# Altium PCB Meter50_v6.PcbDoc (part 1 of 3) (continued)
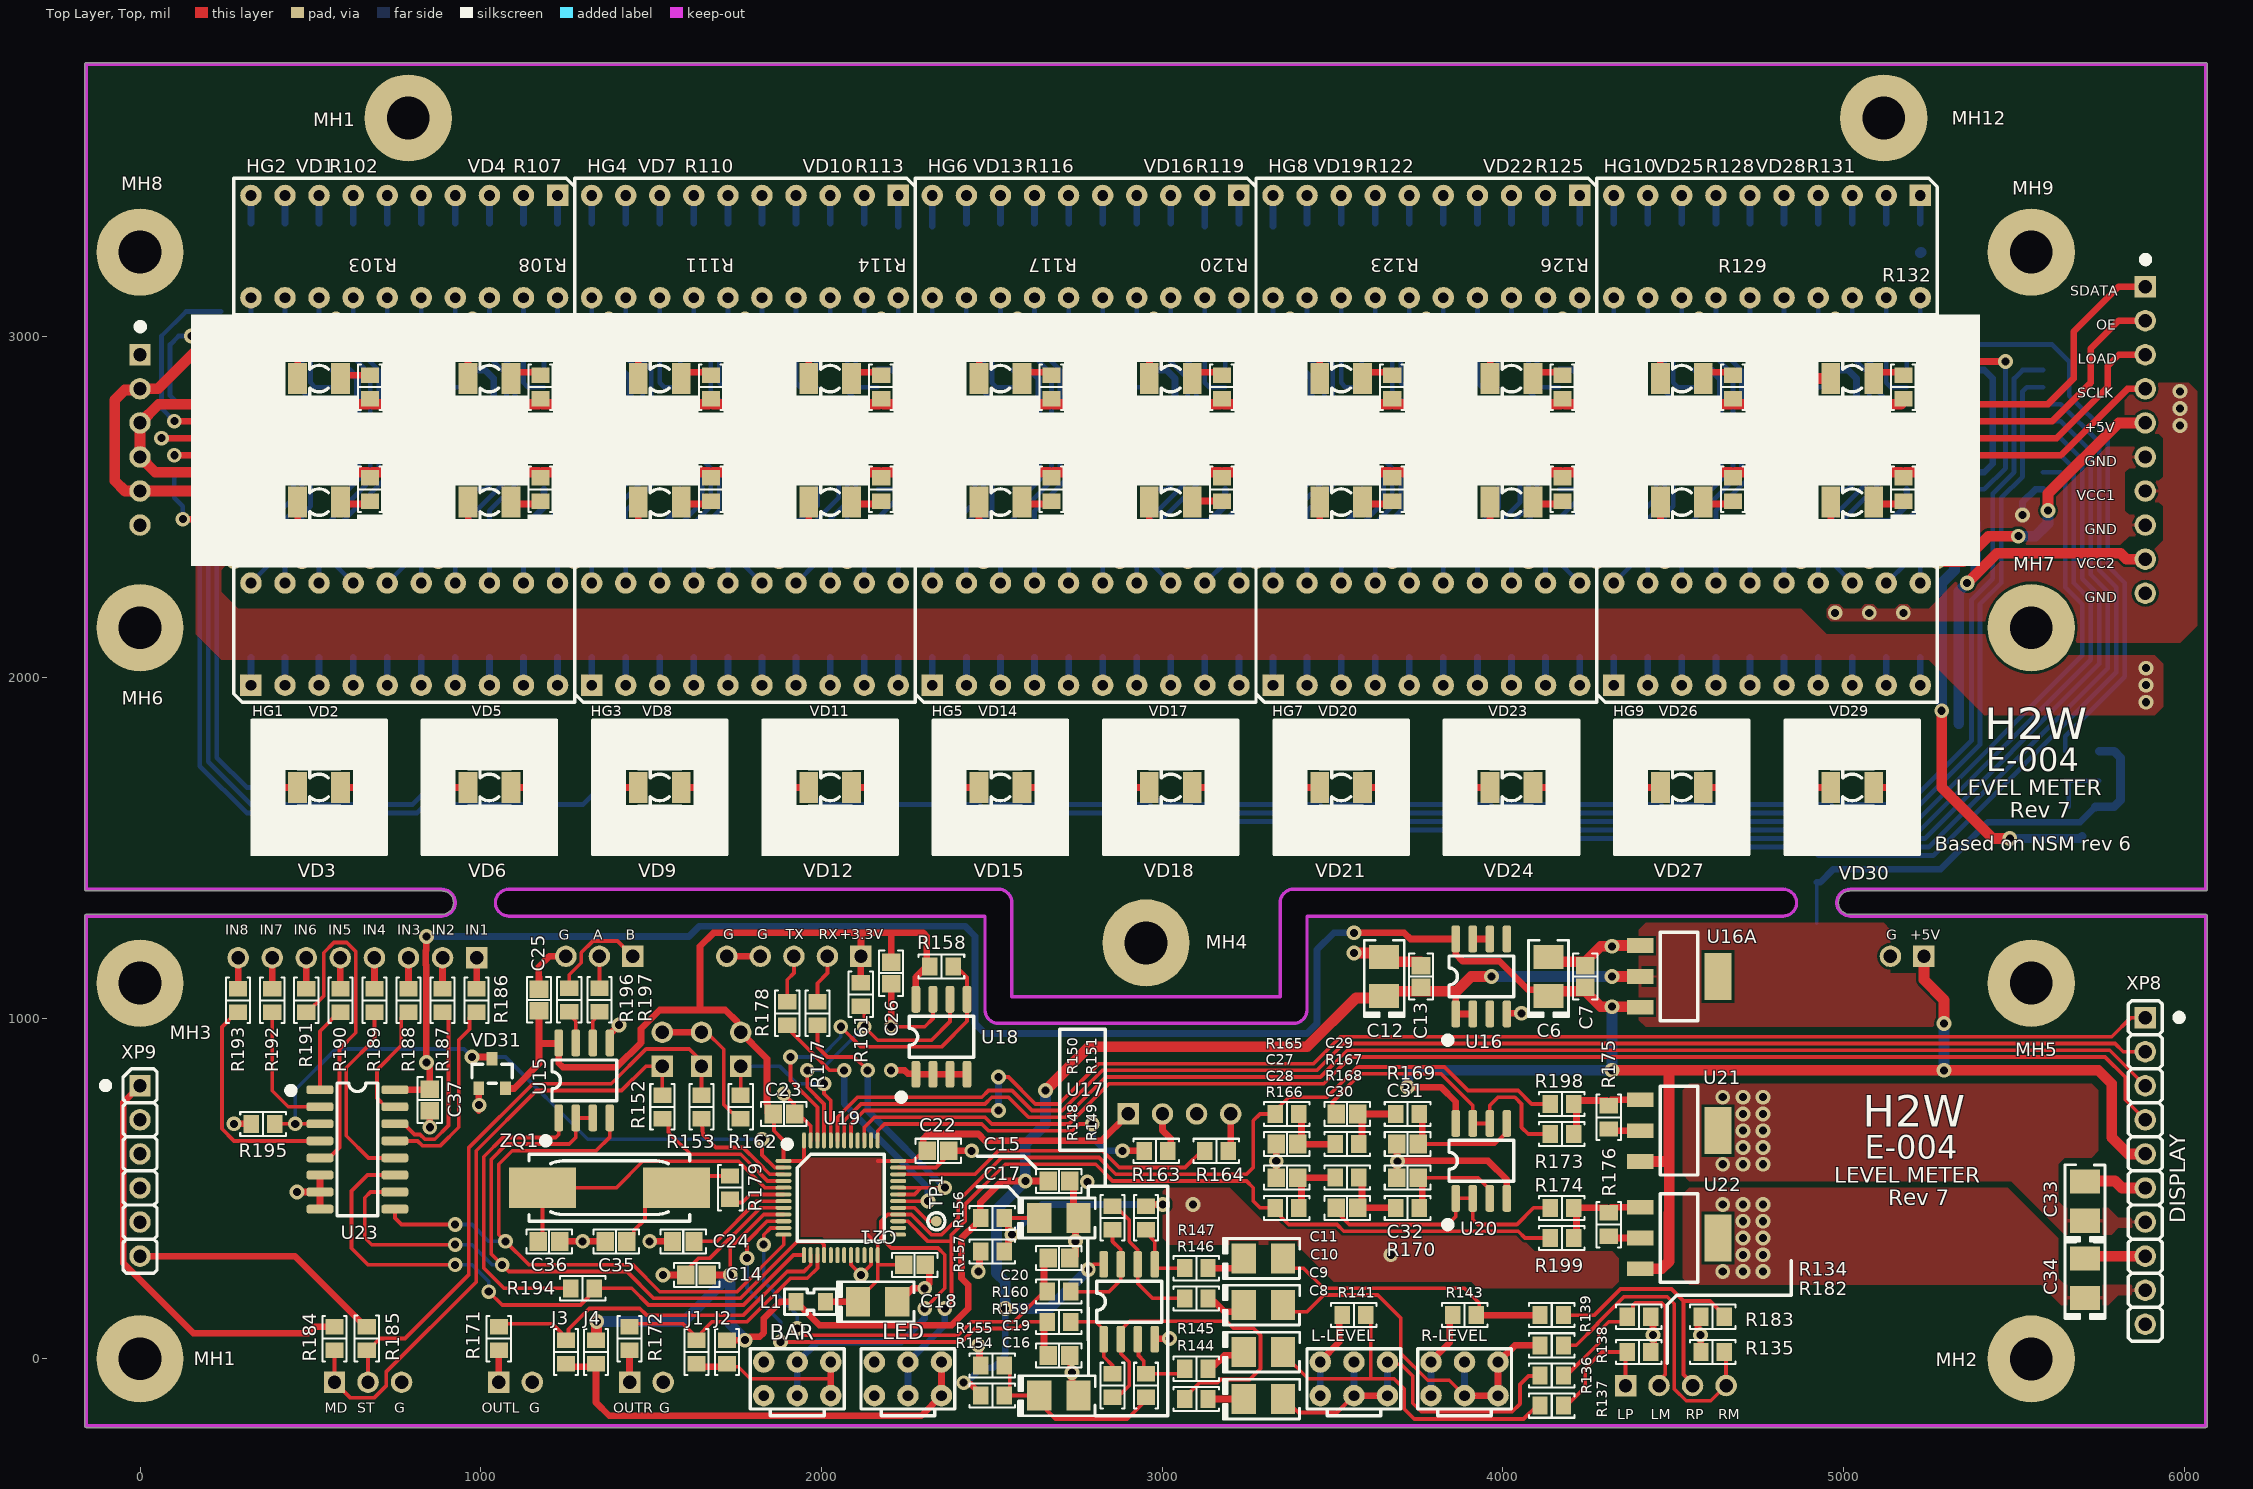
[diagram p0: Top Layer, Top view]
## Footprints (in the part's own frame and the unit in brackets; to place one, negate y for a bottom-side part, rotate by r counter-clockwise, add the part's x,y. Pads: shape width x height; smd on the part's side, far side on the other; paste and mask are expansions set on the pad) (continued)
PW-3 [mm]
  rect 1.6x1.6 hole 1: 1(-2.5,0)
  round 1.6 hole 1: 2(0,0) 3(2.5,0)
  silkscreen extent -5,-3.5 5,2.5, body extent -4.95,-3.38 4.95,2.37, height 7
PW-4 [mm]
  rect 1.6x1.6 hole 1: 1(-3.75,0)
  round 1.6 hole 1: 2(-1.25,0) 3(1.25,0) 4(3.75,0)
  silkscreen extent -6.25,-3.5 6.25,2.5, body extent -6.2,-3.51 6.2,2.24, height 7
PW-5 [mm]
  rect 1.6x1.6 hole 1: 1(-5,0)
  round 1.6 hole 1: 2(-2.5,0) 3(0,0) 4(2.5,0) 5(5,0)
  silkscreen extent -7.5,-3.5 7.5,2.5, body extent -7.45,-3.64 7.45,2.11, height 7
"RES 0805_2012" [mm] "Chip Resistor, 2-Leads, Body 2.00x1.25mm, IPC Medium Density"
  rect 1.15x1.35 smd: 1(-0.875,0) 2(0.875,0)
  silkscreen extent -1.7,-0.9 1.7,0.9, body extent -1,-0.62 1,0.63, height 0.6
SOIC-8 [mm]
  rrect50% 2x0.65 smd: 1(-2.794,1.905) 2(-2.794,0.635) 3(-2.794,-0.635) 4(-2.794,-1.905) 5(2.794,-1.905) 6(2.794,-0.635) 7(2.794,0.635) 8(2.794,1.905)
  silkscreen extent -1.52,-2.41 1.52,2.41, body extent -2.87,-2.41 3.13,2.49, height 1.75
SOIC-16 [mm]
  rrect50% 2x0.65 smd: 1(-2.794,4.445) 2(-2.794,3.175) 3(-2.794,1.905) 4(-2.794,0.635) 5(-2.794,-0.635) 6(-2.794,-1.905) 7(-2.794,-3.175) 8(-2.794,-4.445) 9(2.794,-4.445) 10(2.794,-3.175) 11(2.794,-1.905) 12(2.794,-0.635) 13(2.794,0.635) 14(2.794,1.905) 15(2.794,3.175) 16(2.794,4.445)
  silkscreen extent -1.52,-4.95 1.52,4.95, body extent -2.95,-4.83 2.95,5.07, height 1.5
SOT-23 [mm]
  rect 0.8x1 smd: 1(-1,-1.1) 2(1,-1.1) 3(0,1.1)
  silkscreen extent -1.5,-0.7 1.5,0.7, body extent -1.51,-1.91 1.51,1.91, height 1.31
SOT-223 [mm]
  rect 1.1x2 smd: 1(-2.3,-2.9) 2(0,-2.9) 3(2.3,-2.9)
  rect 3.5x2 smd: 4(0,2.9)
  silkscreen extent -3.3,-1.4 3.3,1.4, body extent -3.3,-3.39 3.2,3.64, height 1.6
TP08_Primary [mm]
  round 0.8 smd: 1(0,0)
  silkscreen extent -0.64,-0.64 0.64,0.64

## Part data
C1 C2 C3 C4 C5 C7 C13 C14 C15 C21 C22 C23 C24 C25 C26 C27 C28 C29 C30 C31 C32 C37: library part CC0805MRX7R9BB104, "CAP CER 0.1UF 50V X7R 0805", Device Package="0805 (2012 Metric)", manufacturer=Yageo, Operating Temperature="-55°C ~ 125°C", Supplier Part Number 1=311-4351-1-ND, Temperature Coefficient=X7R, Tolerance=±20%, Voltage - Rated=50V, Applications="General Purpose", Capacitance="0.1 µF", componentlink1description=Datasheet, componentlink1url=https://www.yageo.com/upload/media/product/productsearch/datasheet/mlcc/UPY-GPHC_X7R_6.3V-to-50V_18.pdf, componentlink2description="DigiKey Link", componentlink2url=https://www.digikey.com/en/products/detail/yageo/CC0805MRX7R9BB104/5884281, lastupdated="2/9/2024 8:16:09 PM", Lifecycle Status=Active, Minimum Order=1, Mounting Type="Surface Mount, MLCC", Package / Case="0805 (2012 Metric)", packaging=TapeAndReel, Part Number=CC0805MRX7R9BB104, Part Status=Active, partid=2475, price=0.01, series=CC, Size / Dimension="0.079\" L x 0.049\" W (2.00mm x 1.25mm)", Supplier 1=DigiKey, Thickness (Max)="0.037\" (0.95mm)"
C6 C12 C16 C17 C18 C33 C34: library part 593D226X9016B2TE3, "CAP TANT 22UF 10% 16V 1411", Device Package="1411 (3528 Metric)", ESR (Equivalent Series Resistance)=700mOhm, manufacturer="Vishay Sprague", Manufacturer Size Code=B, Operating Temperature="-55°C ~ 125°C", Supplier Part Number 1=718-593D226X9016B2TE3CT-ND, Tolerance=±10%, Voltage - Rated="16 V", Capacitance="22 µF", componentlink1description=Datasheet, componentlink1url=http://www.vishay.com/docs/40005/593d.pdf, componentlink2description="DigiKey Link", componentlink2url=https://www.digikey.com/en/products/detail/vishay-sprague/593D226X9016B2TE3/1579159, Features="General Purpose", Height - Seated (Max)="0.083\" (2.11mm)", lastupdated="3/11/2024 7:26:10 AM", Lifecycle Status=Active, Minimum Order=1, Mounting Type="Surface Mount", Package / Case="1411 (3528 Metric)", packaging=TapeAndReel, Part Number=593D226X9016B2TE3, Part Status=Active, partid=50, price=0.24, series="TANTAMOUNT™, 593D", Size / Dimension="0.138\" L x 0.110\" W (3.50mm x 2.80mm)", Supplier 1=DigiKey, Type=Molded
C8 C9 C10 C11: library part TR3B475K025C0700, "CAP TANT 4.7UF 10% 25V 1411", Device Package="1411 (3528 Metric)", ESR (Equivalent Series Resistance)=700mOhm, manufacturer="Vishay Sprague", Manufacturer Size Code=B, Operating Temperature="-55°C ~ 125°C", Supplier Part Number 1=718-1523-1-ND, Tolerance=±10%, Voltage - Rated="25 V", Capacitance="4.7 µF", componentlink1description=Datasheet, componentlink1url=http://www.vishay.com/docs/40080/tr3.pdf, componentlink2description="DigiKey Link", componentlink2url=https://www.digikey.com/en/products/detail/vishay-sprague/TR3B475K025C0700/1859840, Features="General Purpose", Height - Seated (Max)="0.083\" (2.11mm)", lastupdated="3/11/2024 7:26:11 AM", Lifecycle Status=Active, Minimum Order=1, Mounting Type="Surface Mount", Package / Case="1411 (3528 Metric)", packaging=TapeAndReel, Part Number=TR3B475K025C0700, Part Status=Active, partid=2, price=0.43, series="TANTAMOUNT™, TR3", Size / Dimension="0.138\" L x 0.110\" W (3.50mm x 2.80mm)", Supplier 1=DigiKey, Type=Molded
C19 C20: library part 08055A331JAT2A, "CAP CER 330PF 50V C0G/NP0 0805", Device Package="0805 (2012 Metric)", manufacturer="AVX Corporation", Operating Temperature="-55°C ~ 125°C", Supplier Part Number 1=478-1322-1-ND, Temperature Coefficient="C0G, NP0", Tolerance=±5%, Voltage - Rated=50V, Applications="General Purpose", Capacitance=330pF, componentlink1description=Datasheet, componentlink1url=http://datasheets.avx.com/C0GNP0-Dielectric.pdf, componentlink2description="DigiKey Link", componentlink2url=http://digikey.com/product-detail/en/avx-corporation/08055A331JAT2A/478-1322-1-ND/564354, lastupdated="9/2/2020 1:04:40 AM", Lifecycle Status=Active, Minimum Order=1, Mounting Type="Surface Mount, MLCC", Package / Case="0805 (2012 Metric)", packaging=TapeAndReel, Part Number=08055A331JAT2A, Part Status=Active, partid=3229, price=0.02, series=-, Size / Dimension="0.079\" L x 0.049\" W (2.01mm x 1.25mm)", Supplier 1=DigiKey, Thickness (Max)="0.037\" (0.94mm)"
C35 C36: library part C0805C220J5GACAUTO, "CAP CER 22PF 50V C0G/NP0 0805", Device Package="0805 (2012 Metric)", manufacturer=KEMET, Operating Temperature="-55°C ~ 125°C", Ratings=AEC-Q200, Supplier Part Number 1=399-6937-1-ND, Temperature Coefficient="C0G, NP0", Tolerance=±5%, Voltage - Rated=50V, Applications=Automotive, Capacitance="22 pF", componentlink1description=Datasheet, componentlink1url=https://api.kemet.com/component-edge/download/datasheet/C0805C220J5GACAUTO.pdf, componentlink2description="DigiKey Link", componentlink2url=https://www.digikey.com/en/products/detail/kemet/C0805C220J5GACAUTO/3314930, Features="Low ESL", lastupdated="2/9/2024 8:16:09 PM", Lifecycle Status=Active, Minimum Order=1, Mounting Type="Surface Mount, MLCC", Package / Case="0805 (2012 Metric)", packaging=TapeAndReel, Part Number=C0805C220J5GACAUTO, Part Status=Active, partid=2537, price=0.01, series="SMD Auto C0G", Size / Dimension="0.079\" L x 0.049\" W (2.00mm x 1.25mm)", Supplier 1=DigiKey, Thickness (Max)="0.035\" (0.88mm)"
J1 J2 J3 J4 R141 R143 R200: library part CR0805AJ/-000EAS, "RESA-AS 0805 0R JUMPER 125MW", Device Package="0805 (2012 Metric)", manufacturer="Bourns Inc.", Operating Temperature="-55°C ~ 155°C", Power (Watts)="0.125W, 1/8W", Ratings=AEC-Q200, Supplier Device Package=0805, Supplier Part Number 1=CR0805AJ/-000EASCT-ND, Tolerance=Jumper, componentlink1description=Datasheet, componentlink1url=//media.digikey.com/pdf/Data%20Sheets/Bourns%20PDFs/CRyyyyA-AS_Model_DS.pdf, componentlink2description="DigiKey Link", componentlink2url=https://www.digikey.com/en/products/detail/bourns-inc/CR0805AJ-000EAS/10240129, Composition="Thick Film", Features="Anti-Sulfur, Automotive AEC-Q200, Moisture Resistant", Height - Seated (Max)="0.024\" (0.60mm)", lastupdated="2/8/2024 9:00:46 PM", Lifecycle Status=Active, Minimum Order=1, Number of Terminations=2, Package / Case="0805 (2012 Metric)", packaging=TapeAndReel, Part Number=CR0805AJ/-000EAS, Part Status=Active, partid=49707, price=0.01, Resistance="0 Ohms", series=CR0805A-AS, Size / Dimension="0.079\" L x 0.049\" W (2.00mm x 1.25mm)", Supplier 1=DigiKey
MH1 MH1 MH2 MH3 MH4 MH5 MH6 MH7 MH9 MH12: library part MH1
MH8: library part MH1, "TP08"
R1 R106 R165 R166 R167 R168 R169 R170: library part CR0805-JW-473ELF, "RES SMD 47K OHM 5% 1/8W 0805", Device Package="0805 (2012 Metric)", manufacturer="Bourns Inc.", Operating Temperature="-55°C ~ 155°C", Power (Watts)="0.125W, 1/8W", Supplier Device Package=0805, Supplier Part Number 1=118-CR0805-JW-473ELFCT-ND, Temperature Coefficient=±200ppm/°C, Tolerance=±5%, componentlink1description=Datasheet, componentlink1url=https://www.bourns.com/docs/Product-Datasheets/CHPREZTR.pdf, componentlink2description="DigiKey Link", componentlink2url=https://www.digikey.com/en/products/detail/bourns-inc/CR0805-JW-473ELF/3785330, Composition="Thick Film", Features="Moisture Resistant", Height - Seated (Max)="0.024\" (0.60mm)", lastupdated="2/8/2024 9:02:06 PM", Lifecycle Status=Active, Minimum Order=1, Number of Terminations=2, Package / Case="0805 (2012 Metric)", packaging=CutTape, Part Number=CR0805-JW-473ELF, Part Status=Active, partid=35150, price=0.01, Resistance="47 kOhms", series=CR0805, Size / Dimension="0.079\" L x 0.049\" W (2.00mm x 1.25mm)", Supplier 1=DigiKey
R2 R3 R4 R5 R6 R7 R8 R9 R10 R11 R12 R13 R14 R15 R16 R17 R18 R19 R20 R21 R22 R23 R24 R25 R26 R27 R28 R29 R30 R31 R32 R33 R34 R35 R36 R37 R38 R39 R40 R41 R42 R43 R44 R45 R46 R47 R48 R49 R50 R51 R52 R53 R54 R55 R56 R57 R58 R59 R60 R61: library part CR0805-FX-2700ELF, "RES SMD 270 OHM 1% 1/8W 0805", Device Package="0805 (2012 Metric)", manufacturer="Bourns Inc.", Operating Temperature="-55°C ~ 155°C", Power (Watts)="0.125W, 1/8W", Supplier Device Package=0805, Supplier Part Number 1=118-CR0805-FX-2700ELFCT-ND, Temperature Coefficient=±100ppm/°C, Tolerance=±1%, componentlink1description=Datasheet, componentlink1url=https://www.bourns.com/docs/Product-Datasheets/CHPREZTR.pdf, componentlink2description="DigiKey Link", componentlink2url=https://www.digikey.com/en/products/detail/bourns-inc/CR0805-FX-2700ELF/3784807, Composition="Thick Film", Features="Moisture Resistant", Height - Seated (Max)="0.024\" (0.60mm)", lastupdated="2/8/2024 9:02:19 PM", Lifecycle Status=Active, Minimum Order=1, Number of Terminations=2, Package / Case="0805 (2012 Metric)", packaging=TapeAndReel, Part Number=CR0805-FX-2700ELF, Part Status=Active, partid=32158, price=0.01, Resistance="270 Ohms", series=CR0805, Size / Dimension="0.079\" L x 0.049\" W (2.00mm x 1.25mm)", Supplier 1=DigiKey
R62 R63 R64 R65 R66 R67 R68 R69 R70 R71 R72 R73 R74 R75 R76 R77 R78 R79 R80 R81 R82 R83 R84 R85 R86 R87 R88 R89 R90 R91 R92 R93 R94 R95 R96 R97 R98 R99 R100 R101 R104 R109 R112 R124 R128 R129 R130 R131 R132 R133: library part CR0805-JW-561ELF, "RES SMD 560 OHM 5% 1/8W 0805", Device Package="0805 (2012 Metric)", manufacturer="Bourns Inc.", Operating Temperature="-55°C ~ 155°C", Power (Watts)="0.125W, 1/8W", Supplier Device Package=0805, Supplier Part Number 1=118-CR0805-JW-561ELFCT-ND, Temperature Coefficient=±200ppm/°C, Tolerance=±5%, componentlink1description=Datasheet, componentlink1url=https://www.bourns.com/docs/Product-Datasheets/CHPREZTR.pdf, componentlink2description="DigiKey Link", componentlink2url=https://www.digikey.com/en/products/detail/bourns-inc/CR0805-JW-561ELF/3785343, Composition="Thick Film", Features="Moisture Resistant", Height - Seated (Max)="0.024\" (0.60mm)", lastupdated="2/8/2024 9:02:07 PM", Lifecycle Status=Active, Minimum Order=1, Number of Terminations=2, Package / Case="0805 (2012 Metric)", packaging=CutTape, Part Number=CR0805-JW-561ELF, Part Status=Active, partid=35146, price=0.01, Resistance="560 Ohms", series=CR0805, Size / Dimension="0.079\" L x 0.049\" W (2.00mm x 1.25mm)", Supplier 1=DigiKey
R102 R103 R105 R107 R108 R110 R111 R113 R114 R116 R117 R119 R120 R121 R127 R154 R155 R156 R157 R159 R160 R171 R172: library part CR0805-JW-102ELF, "RES SMD 1K OHM 5% 1/8W 0805", Device Package="0805 (2012 Metric)", manufacturer="Bourns Inc.", Operating Temperature="-55°C ~ 155°C", Power (Watts)="0.125W, 1/8W", Supplier Device Package=0805, Supplier Part Number 1=CR0805-JW-102ELFCT-ND, Temperature Coefficient=±200ppm/°C, Tolerance=±5%, componentlink1description=Datasheet, componentlink1url=https://www.bourns.com/docs/Product-Datasheets/CHPREZTR.pdf, componentlink2description="DigiKey Link", componentlink2url=https://www.digikey.com/en/products/detail/bourns-inc/CR0805-JW-102ELF/3593156, Composition="Thick Film", Features="Moisture Resistant", Height - Seated (Max)="0.024\" (0.60mm)", lastupdated="2/8/2024 9:01:26 PM", Lifecycle Status=Active, Minimum Order=1, Number of Terminations=2, Package / Case="0805 (2012 Metric)", packaging=CutTape, Part Number=CR0805-JW-102ELF, Part Status=Active, partid=44682, price=0.01, Resistance="1 kOhms", series=CR0805, Size / Dimension="0.079\" L x 0.049\" W (2.00mm x 1.25mm)", Supplier 1=DigiKey
R115 R118 R122 R123 R125 R126 R198 R199: library part CR0805-JW-391ELF, "RES SMD 390 OHM 5% 1/8W 0805", Device Package="0805 (2012 Metric)", manufacturer="Bourns Inc.", Operating Temperature="-55°C ~ 155°C", Power (Watts)="0.125W, 1/8W", Supplier Device Package=0805, Supplier Part Number 1=CR0805-JW-391ELFCT-ND, Temperature Coefficient=±200ppm/°C, Tolerance=±5%, componentlink1description=Datasheet, componentlink1url=https://www.bourns.com/docs/Product-Datasheets/CHPREZTR.pdf, componentlink2description="DigiKey Link", componentlink2url=https://www.digikey.com/en/products/detail/bourns-inc/CR0805-JW-391ELF/3785314, Composition="Thick Film", Features="Moisture Resistant", Height - Seated (Max)="0.024\" (0.60mm)", lastupdated="2/8/2024 9:00:52 PM", Lifecycle Status=Active, Minimum Order=1, Number of Terminations=2, Package / Case="0805 (2012 Metric)", packaging=TapeAndReel, Part Number=CR0805-JW-391ELF, Part Status=Active, partid=49143, price=0.01, Resistance="390 Ohms", series=CR0805, Size / Dimension="0.079\" L x 0.049\" W (2.00mm x 1.25mm)", Supplier 1=DigiKey
R134 R135: library part CMP0805-FX-1000ELF, "RESHIGHPOWER 0805 100R 1% 1/2W T", Device Package="0805 (2012 Metric)", manufacturer="Bourns Inc.", Operating Temperature="-55°C ~ 155°C", Power (Watts)="0.5W, 1/2W", Supplier Device Package=0805, Supplier Part Number 1=118-CMP0805-FX-1000ELFCT-ND, Temperature Coefficient=±100ppm/°C, Tolerance=±1%, componentlink1description=Datasheet, componentlink1url=https://www.bourns.com/docs/Product-Datasheets/CMP.pdf, componentlink2description="DigiKey Link", componentlink2url=https://www.digikey.com/en/products/detail/bourns-inc/CMP0805-FX-1000ELF/12333612, Composition="Thick Film", Features="Pulse Withstanding", Height - Seated (Max)="0.024\" (0.60mm)", lastupdated="2/8/2024 9:00:39 PM", Lifecycle Status=Active, Minimum Order=1, Number of Terminations=2, Package / Case="0805 (2012 Metric)", packaging=TapeAndReel, Part Number=CMP0805-FX-1000ELF, Part Status=Active, partid=61741, price=0.02, Resistance="100 Ohms", series=CMP, Size / Dimension="0.079\" L x 0.049\" W (2.00mm x 1.25mm)", Supplier 1=DigiKey
R136 R137 R138 R139 R144 R145 R146 R147 R186 R187 R188 R189 R190 R191 R192 R193: library part CRT0805-FZ-1002ELF, "RES SMD 10K OHM 1% 1/8W 0805", Device Package="0805 (2012 Metric)", manufacturer="Bourns Inc.", Operating Temperature="-55°C ~ 155°C", Power (Watts)="0.125W, 1/8W", Supplier Device Package=0805, Supplier Part Number 1=CRT0805-FZ-1002ELFCT-ND, Temperature Coefficient=±50ppm/°C, Tolerance=±1%, componentlink1description=Datasheet, componentlink1url=https://www.bourns.com/docs/Product-Datasheets/crt.pdf, componentlink2description="DigiKey Link", componentlink2url=https://www.digikey.com/en/products/detail/bourns-inc/CRT0805-FZ-1002ELF/2564206, Composition="Thin Film", Features="Current Sense", Height - Seated (Max)="0.026\" (0.65mm)", lastupdated="2/8/2024 9:01:39 PM", Lifecycle Status=Active, Minimum Order=1, Number of Terminations=2, Package / Case="0805 (2012 Metric)", packaging=TapeAndReel, Part Number=CRT0805-FZ-1002ELF, Part Status=Active, partid=41691, price=0.01, Resistance="10 kOhms", series=CRT, Size / Dimension="0.079\" L x 0.049\" W (2.00mm x 1.25mm)", Supplier 1=DigiKey
R148 R149 R150 R151 R182 R183: library part CR0805-FX-1003ELF, "RES SMD 100K OHM 1% 1/8W 0805", Device Package="0805 (2012 Metric)", manufacturer="Bourns Inc.", Operating Temperature="-55°C ~ 155°C", Power (Watts)="0.125W, 1/8W", Supplier Device Package=0805, Supplier Part Number 1=CR0805-FX-1003ELFCT-ND, Temperature Coefficient=±100ppm/°C, Tolerance=±1%, componentlink1description=Datasheet, componentlink1url=https://www.bourns.com/docs/Product-Datasheets/CHPREZTR.pdf, componentlink2description="DigiKey Link", componentlink2url=https://www.digikey.com/en/products/detail/bourns-inc/CR0805-FX-1003ELF/3740947, Composition="Thick Film", Features="Moisture Resistant", Height - Seated (Max)="0.024\" (0.60mm)", lastupdated="2/8/2024 9:01:25 PM", Lifecycle Status=Active, Minimum Order=1, Number of Terminations=2, Package / Case="0805 (2012 Metric)", packaging=CutTape, Part Number=CR0805-FX-1003ELF, Part Status=Active, partid=44720, price=0.01, Resistance="100 kOhms", series=CR0805, Size / Dimension="0.079\" L x 0.049\" W (2.00mm x 1.25mm)", Supplier 1=DigiKey
R152 R153 R179: library part CHP0805AFX-2200ELF, "RESHIGHPOWERA 0805 220R 1% 1/2W", Device Package="0805 (2012 Metric)", manufacturer="Bourns Inc.", Operating Temperature="-55°C ~ 155°C", Power (Watts)="0.5W, 1/2W", Ratings=AEC-Q200, Supplier Device Package=0805, Supplier Part Number 1=118-CHP0805AFX-2200ELFCT-ND, Temperature Coefficient=±100ppm/°C, Tolerance=±1%, componentlink1description=Datasheet, componentlink1url=https://www.bourns.com/docs/product-datasheets/chp-a.pdf, componentlink2description="DigiKey Link", componentlink2url=https://www.digikey.com/en/products/detail/bourns-inc/CHP0805AFX-2200ELF/12144255, Composition="Thick Film", Features="Anti-Sulfur, Automotive AEC-Q200, Moisture Resistant, Pulse Withstanding", Height - Seated (Max)="0.024\" (0.60mm)", lastupdated="2/8/2024 9:00:39 PM", Lifecycle Status=Active, Minimum Order=1, Number of Terminations=2, Package / Case="0805 (2012 Metric)", packaging=TapeAndReel, Part Number=CHP0805AFX-2200ELF, Part Status=Active, partid=61756, price=0.06, Resistance="220 Ohms", series=CHP-A, Size / Dimension="0.079\" L x 0.049\" W (2.00mm x 1.25mm)", Supplier 1=DigiKey
R158 R161 R162: library part CR0805-JW-472ELF, "RES SMD 4.7K OHM 5% 1/8W 0805", Device Package="0805 (2012 Metric)", manufacturer="Bourns Inc.", Operating Temperature="-55°C ~ 155°C", Power (Watts)="0.125W, 1/8W", Supplier Device Package=0805, Supplier Part Number 1=CR0805-JW-472ELFCT-ND, Temperature Coefficient=±200ppm/°C, Tolerance=±5%, componentlink1description=Datasheet, componentlink1url=https://www.bourns.com/docs/Product-Datasheets/CHPREZTR.pdf, componentlink2description="DigiKey Link", componentlink2url=https://www.digikey.com/en/products/detail/bourns-inc/CR0805-JW-472ELF/3741035, Composition="Thick Film", Features="Moisture Resistant", Height - Seated (Max)="0.024\" (0.60mm)", lastupdated="2/8/2024 9:01:52 PM", Lifecycle Status=Active, Minimum Order=1, Number of Terminations=2, Package / Case="0805 (2012 Metric)", packaging=CutTape, Part Number=CR0805-JW-472ELF, Part Status=Active, partid=38807, price=0.01, Resistance="4.7 kOhms", series=CR0805, Size / Dimension="0.079\" L x 0.049\" W (2.00mm x 1.25mm)", Supplier 1=DigiKey
R163 R164 R177 R178 R184 R185 R196 R197: library part CR0805-FX-22R0ELF, "RES SMD 22 OHM 1% 1/8W 0805", Device Package="0805 (2012 Metric)", manufacturer="Bourns Inc.", Operating Temperature="-55°C ~ 155°C", Power (Watts)="0.125W, 1/8W", Supplier Device Package=0805, Supplier Part Number 1=CR0805-FX-22R0ELFCT-ND, Temperature Coefficient=±100ppm/°C, Tolerance=±1%, componentlink1description=Datasheet, componentlink1url=https://www.bourns.com/docs/Product-Datasheets/CHPREZTR.pdf, componentlink2description="DigiKey Link", componentlink2url=https://www.digikey.com/en/products/detail/bourns-inc/CR0805-FX-22R0ELF/3784764, Composition="Thick Film", Features="Moisture Resistant", Height - Seated (Max)="0.024\" (0.60mm)", lastupdated="2/8/2024 9:02:14 PM", Lifecycle Status=Active, Minimum Order=1, Number of Terminations=2, Package / Case="0805 (2012 Metric)", packaging=TapeAndReel, Part Number=CR0805-FX-22R0ELF, Part Status=Active, partid=33387, price=0.01, Resistance="22 Ohms", series=CR0805, Size / Dimension="0.079\" L x 0.049\" W (2.00mm x 1.25mm)", Supplier 1=DigiKey
R173 R174: library part CR0805-JW-121ELF, "RES SMD 120 OHM 5% 1/8W 0805", Device Package="0805 (2012 Metric)", manufacturer="Bourns Inc.", Operating Temperature="-55°C ~ 155°C", Power (Watts)="0.125W, 1/8W", Supplier Device Package=0805, Supplier Part Number 1=118-CR0805-JW-121ELFCT-ND, Temperature Coefficient=±200ppm/°C, Tolerance=±5%, componentlink1description=Datasheet, componentlink1url=https://www.bourns.com/docs/Product-Datasheets/CHPREZTR.pdf, componentlink2description="DigiKey Link", componentlink2url=https://www.digikey.com/en/products/detail/bourns-inc/CR0805-JW-121ELF/3785225, Composition="Thick Film", Features="Moisture Resistant", Height - Seated (Max)="0.024\" (0.60mm)", lastupdated="2/8/2024 9:02:14 PM", Lifecycle Status=Active, Minimum Order=1, Number of Terminations=2, Package / Case="0805 (2012 Metric)", packaging=CutTape, Part Number=CR0805-JW-121ELF, Part Status=Active, partid=33350, price=0.01, Resistance="120 Ohms", series=CR0805, Size / Dimension="0.079\" L x 0.049\" W (2.00mm x 1.25mm)", Supplier 1=DigiKey
R175 R176: library part RMCF0805JT240R, "RES 240 OHM 5% 1/8W 0805", Device Package="0805 (2012 Metric)", manufacturer="Stackpole Electronics Inc", Operating Temperature="-55°C ~ 155°C", Power (Watts)="0.125W, 1/8W", Ratings=AEC-Q200, Supplier Device Package=0805, Supplier Part Number 1=RMCF0805JT240RCT-ND, Temperature Coefficient=±200ppm/°C, Tolerance=±5%, componentlink1description=Datasheet, componentlink1url=https://www.seielect.com/catalog/sei-rmcf_rmcp.pdf, componentlink2description="DigiKey Link", componentlink2url=https://www.digikey.com/en/products/detail/stackpole-electronics-inc/RMCF0805JT240R/1757845, Composition="Thick Film", Features="Automotive AEC-Q200", Height - Seated (Max)="0.026\" (0.65mm)", lastupdated="2/8/2024 9:01:26 PM", Lifecycle Status=Active, Minimum Order=1, Number of Terminations=2, Package / Case="0805 (2012 Metric)", packaging=CutTape, Part Number=RMCF0805JT240R, Part Status=Active, partid=44648, price=0.01, Resistance="240 Ohms", series=RMCF, Size / Dimension="0.079\" L x 0.049\" W (2.00mm x 1.25mm)", Supplier 1=DigiKey
R181: library part 3362X, "3362X"
R194: library part RNCS0805BKE1K00, "RES 1K OHM 0.1% 1/10W 0805", Device Package="0805 (2012 Metric)", manufacturer="Stackpole Electronics Inc", Operating Temperature="-55°C ~ 155°C", Power (Watts)="0.1W, 1/10W", Ratings=AEC-Q200, Supplier Device Package=0805, Supplier Part Number 1=RNCS0805BKE1K00CT-ND, Temperature Coefficient=±25ppm/°C, Tolerance=±0.1%, componentlink1description=Datasheet, componentlink1url=https://www.seielect.com/catalog/sei-rncs_rnch.pdf, componentlink2description="DigiKey Link", componentlink2url=https://www.digikey.com/en/products/detail/stackpole-electronics-inc/RNCS0805BKE1K00/1800073, Composition="Thin Film", Features="Anti-Corrosive, Automotive AEC-Q200, Moisture Resistant", Height - Seated (Max)="0.026\" (0.65mm)", lastupdated="2/8/2024 9:02:39 PM", Lifecycle Status=Active, Minimum Order=1, Number of Terminations=2, Package / Case="0805 (2012 Metric)", packaging=TapeAndReel, Part Number=RNCS0805BKE1K00, Part Status=Active, partid=27715, price=0.07, Resistance="1 kOhms", series=RNCS, Size / Dimension="0.079\" L x 0.049\" W (2.00mm x 1.25mm)", Supplier 1=DigiKey
R195: library part CR0805-JW-203ELF, "RES SMD 20K OHM 5% 1/8W 0805", Device Package="0805 (2012 Metric)", manufacturer="Bourns Inc.", Operating Temperature="-55°C ~ 155°C", Power (Watts)="0.125W, 1/8W", Supplier Device Package=0805, Supplier Part Number 1=118-CR0805-JW-203ELFCT-ND, Temperature Coefficient=±200ppm/°C, Tolerance=±5%, componentlink1description=Datasheet, componentlink1url=https://www.bourns.com/docs/Product-Datasheets/CHPREZTR.pdf, componentlink2description="DigiKey Link", componentlink2url=https://www.digikey.com/en/products/detail/bourns-inc/CR0805-JW-203ELF/3785265, Composition="Thick Film", Features="Moisture Resistant", Height - Seated (Max)="0.024\" (0.60mm)", lastupdated="2/8/2024 9:01:55 PM", Lifecycle Status=Active, Minimum Order=1, Number of Terminations=2, Package / Case="0805 (2012 Metric)", packaging=TapeAndReel, Part Number=CR0805-JW-203ELF, Part Status=Active, partid=38056, price=0.01, Resistance="20 kOhms", series=CR0805, Size / Dimension="0.079\" L x 0.049\" W (2.00mm x 1.25mm)", Supplier 1=DigiKey
HG1 HG2 HG3 HG4 HG5 HG6 HG7 HG8 HG9 HG10: Class=DISPLAY
JP1: Name=MODE1
JP2: Name=MODE2
JP3: Name=BOOT
TP1: Name=MCO
XP1: Name=Port, Pin1=VCC, Pin2=RXD, Pin3=TXD, Pin4=DIR, Pin5=GND
XP2 XP10: Name=Link, Pin1=B, Pin2=A, Pin3=GND
XP3: Name=Input, Pin1="INPUT L", Pin2="GND L", Pin3="INPUT R", Pin4="GND R"
XP4 XP7: Name=AoutR, Pin1=AOUT, Pin2=GND
XP5: Name=SWD, Pin1=VCC, Pin2=SWCLK, Pin3=GND, Pin4=SWDIO
XP6: Name=AoutL, Pin1=AOUT, Pin2=GND
XP8 XS1: Name=Display, Pin1=SDATA, Pin2=OE, Pin3=LOAD, Pin4=SCLK, Pin5=+5V, Pin6=GND, Pin7=VCCUV, Pin8=GND, Pin9=VCCBL, Pin10=GND
XP9 XS2: Name=NC, Pin1=NC, Pin2=NC, Pin3=NC, Pin4=NC, Pin5=NC, Pin6=NC
XP11: Name=Indication, Pin1=IN1, Pin2=IN2, Pin3=IN3, Pin4=IN4, Pin5=IN5, Pin6=IN6, Pin7=IN7, Pin8=IN8

## Free pads (board coordinates)
  round 62.99 hole 31.5: 0(1830.71,-108.27) 0(1929.13,-9.84) 0(2027.56,-108.27) 0(2155.51,-108.27) 0(2253.94,-9.84) 0(2352.36,-108.27) 0(3464.57,-108.27) 0(3562.99,-9.84) 0(3661.42,-108.27) 0(3789.37,-108.27) 0(3887.8,-9.84) 0(3986.22,-108.27)

## Via types
v1: diameter 43.31, hole 23.62, Top Layer, Top to Bottom Layer, Bottom, 241 vias

## Nets (pads, with @x,y where several pads share a name; then routed paths per layer and width w, separated by ;. In a path a pad name is that pad's centre, name@x,y a point inside that pad or via, vN(x,y) a via of type N, cw(c..) or ccw(c..) an arc to the next point about the centre after c; other vN are vias at no path point)
+3.3V: C18.1 C21.2 C22.2 C23.2 C25.2 C26.2 JP3.2 L1.2 R158.1 R161.1 U15.8 U18.8 U19.1 U19.24 U19.36 U19.48 VD31.2 XP1.1 XP5.1 | length 4125.8
  Top Layer, Top w11: C23.2@1846.46,718.5 1860.59,704.37 1860.59,668.94 1888.78,640.75 U19.1@1888.78,580.71 1948.82,580.71 U19.48@1948.82,640.75 U19.48@1947.83,639.76 ; C18.1@2102.36,167.32 2165.35,230.31 2165.35,275.59 ; 2135.83,364.17 2165.35,334.65 U19.24@2165.35,304.13 2165.35,275.59 ; 2165.35,580.71 2269.69,580.71 C22.2@2299.21,610.24 ; C21.2@2230.31,275.59 2165.35,275.59
  Top Layer, Top w19.68: VD31.2@1072.83,793.31 1098.43,793.31 1171.26,866.14 1171.26,925.2 ; C25.2@1171.26,1009.84 1171.26,925.2 ; C23.2@1846.46,718.5 1842.52,722.44 1842.52,745.78 1840.55,747.75 1840.55,880.66 1754.8,966.41 1754.8,986.44 1717.62,1023.62 1643.7,1023.62 ; L1.2@2011.81,167.32 C18.1@2102.36,167.32 ; R161.1@2115.59,1103.82 2115.59,1180.55 XP1.1@2116.14,1181.1 2116.14,1250 ; C26.2@2204.72,1175.2 2204.72,1250 ; U18.8@2277.36,1054.88 2277.36,1119.88 2309.06,1151.57 2309.06,1240.16 2299.21,1250 2204.72,1250 ; C22.2@2299.21,610.24 2299.21,645.67 2312.99,659.45 2460.63,659.45 2480.31,639.76 2822.44,639.76 XP5.1@2901.18,718.5 ; 1171.26,925.2 1227.4,925.2 U15.8@1229.13,926.93 1229.13,867.32 1240.67,855.79 1399.14,855.79 1470.59,927.24 1470.59,968.62 1525.59,1023.62 1643.7,1023.62 ; 1643.7,1023.62 1643.7,1210.63 1683.07,1250 2116.14,1250 ; 2116.14,1250 2204.72,1250
+3.3VA: C12.1 C13.2 C14.2 C15.2 J2.1 J4.1 L1.1 R154.2 R156.2 U16.1 U16.2 U16A.2 U17.8 U19.9 | length 5852.5
  Top Layer, Top w11: J4.1@1339.59,61.99 J4.1@1342.52,59.06 ; J2.1@1718.01,58.56 J2.1@1722.44,62.99 ; v1(1732.28,246.06) 1732.28,324.8 1830.71,423.23 U19.9@1888.78,423.23 ; v1(2783.39,261.69) 2799.02,277.32 U17.8@2828.54,277.32
  Top Layer, Top w19.68: C14.2@1677.17,246.06 v1(1732.28,246.06) ; J2.1@1722.44,62.99 1731.18,54.25 1775.47,54.25 v1(1775.59,54.37) ; v1@1791.98,64.37 1819.18,64.37 1830.71,75.9 1830.71,118.11 1879.92,167.32 L1.1@1925.2,167.32 1994.09,98.43 2381.89,98.43 2431.1,147.64 2431.1,216.54 2411.42,236.22 2411.42,354.33 2430.41,373.32 2431.27,373.32 2467.39,409.45 R156.2@2467.39,413.39 2466.54,414.24 2466.54,458.66 2529.53,521.65 v1(2598.43,521.65) C15.2@2665.35,521.65 ; v1(2417.75,-70.36) 2422.27,-74.88 2438.37,-74.88 2467.55,-104.06 R154.2@2467.55,-108 ; U16.1@3862.01,1012.05 U16.2@3912.01,1012.05
  Top Layer, Top w19.7: U16.1@3862.01,1012.05 3862.01,1076.57 3864.17,1078.74
  Top Layer, Top w31.5: J4.1@1338.58,54.13 1339.59,55.14 1339.59,61.99 1339.59,108.37 v1(1340.59,109.37) ; v1(2657.48,787.4) 2785.43,915.35 3425.2,915.35 3568.9,1059.05 3651.57,1059.05 3671.26,1078.74 3864.17,1078.74 3907.48,1122.05 v1(3966.54,1122.05) ; v1(4320.87,1122.05) U16A.2@4403.54,1122.05
  Bottom Layer, Bottom w19.68: v1(2417.75,-70.36) 2418.01,-70.62 2425.59,-70.62 2469.7,-26.51 2504.71,-26.51 2539.37,8.15 v1(2539.37,147.64)
  Bottom Layer, Bottom w31.5: v1(1340.59,109.37) 1595.59,109.37 v1(1732.28,246.06) 1732.28,100.87 1775.59,57.57 v1(1775.59,54.37) ; v1(2657.48,787.4) 2657.48,688.98 2598.43,629.92 v1(2598.43,521.65) 2513.78,437.01 2513.78,251.3 2539.37,225.71 v1(2539.37,147.64) 2669.33,147.64 v1(2783.39,261.69) ; v1(3966.54,1122.05) v1(4320.87,1122.05)